# Allegro board dspeak-v1_00-0b.brd (continued)
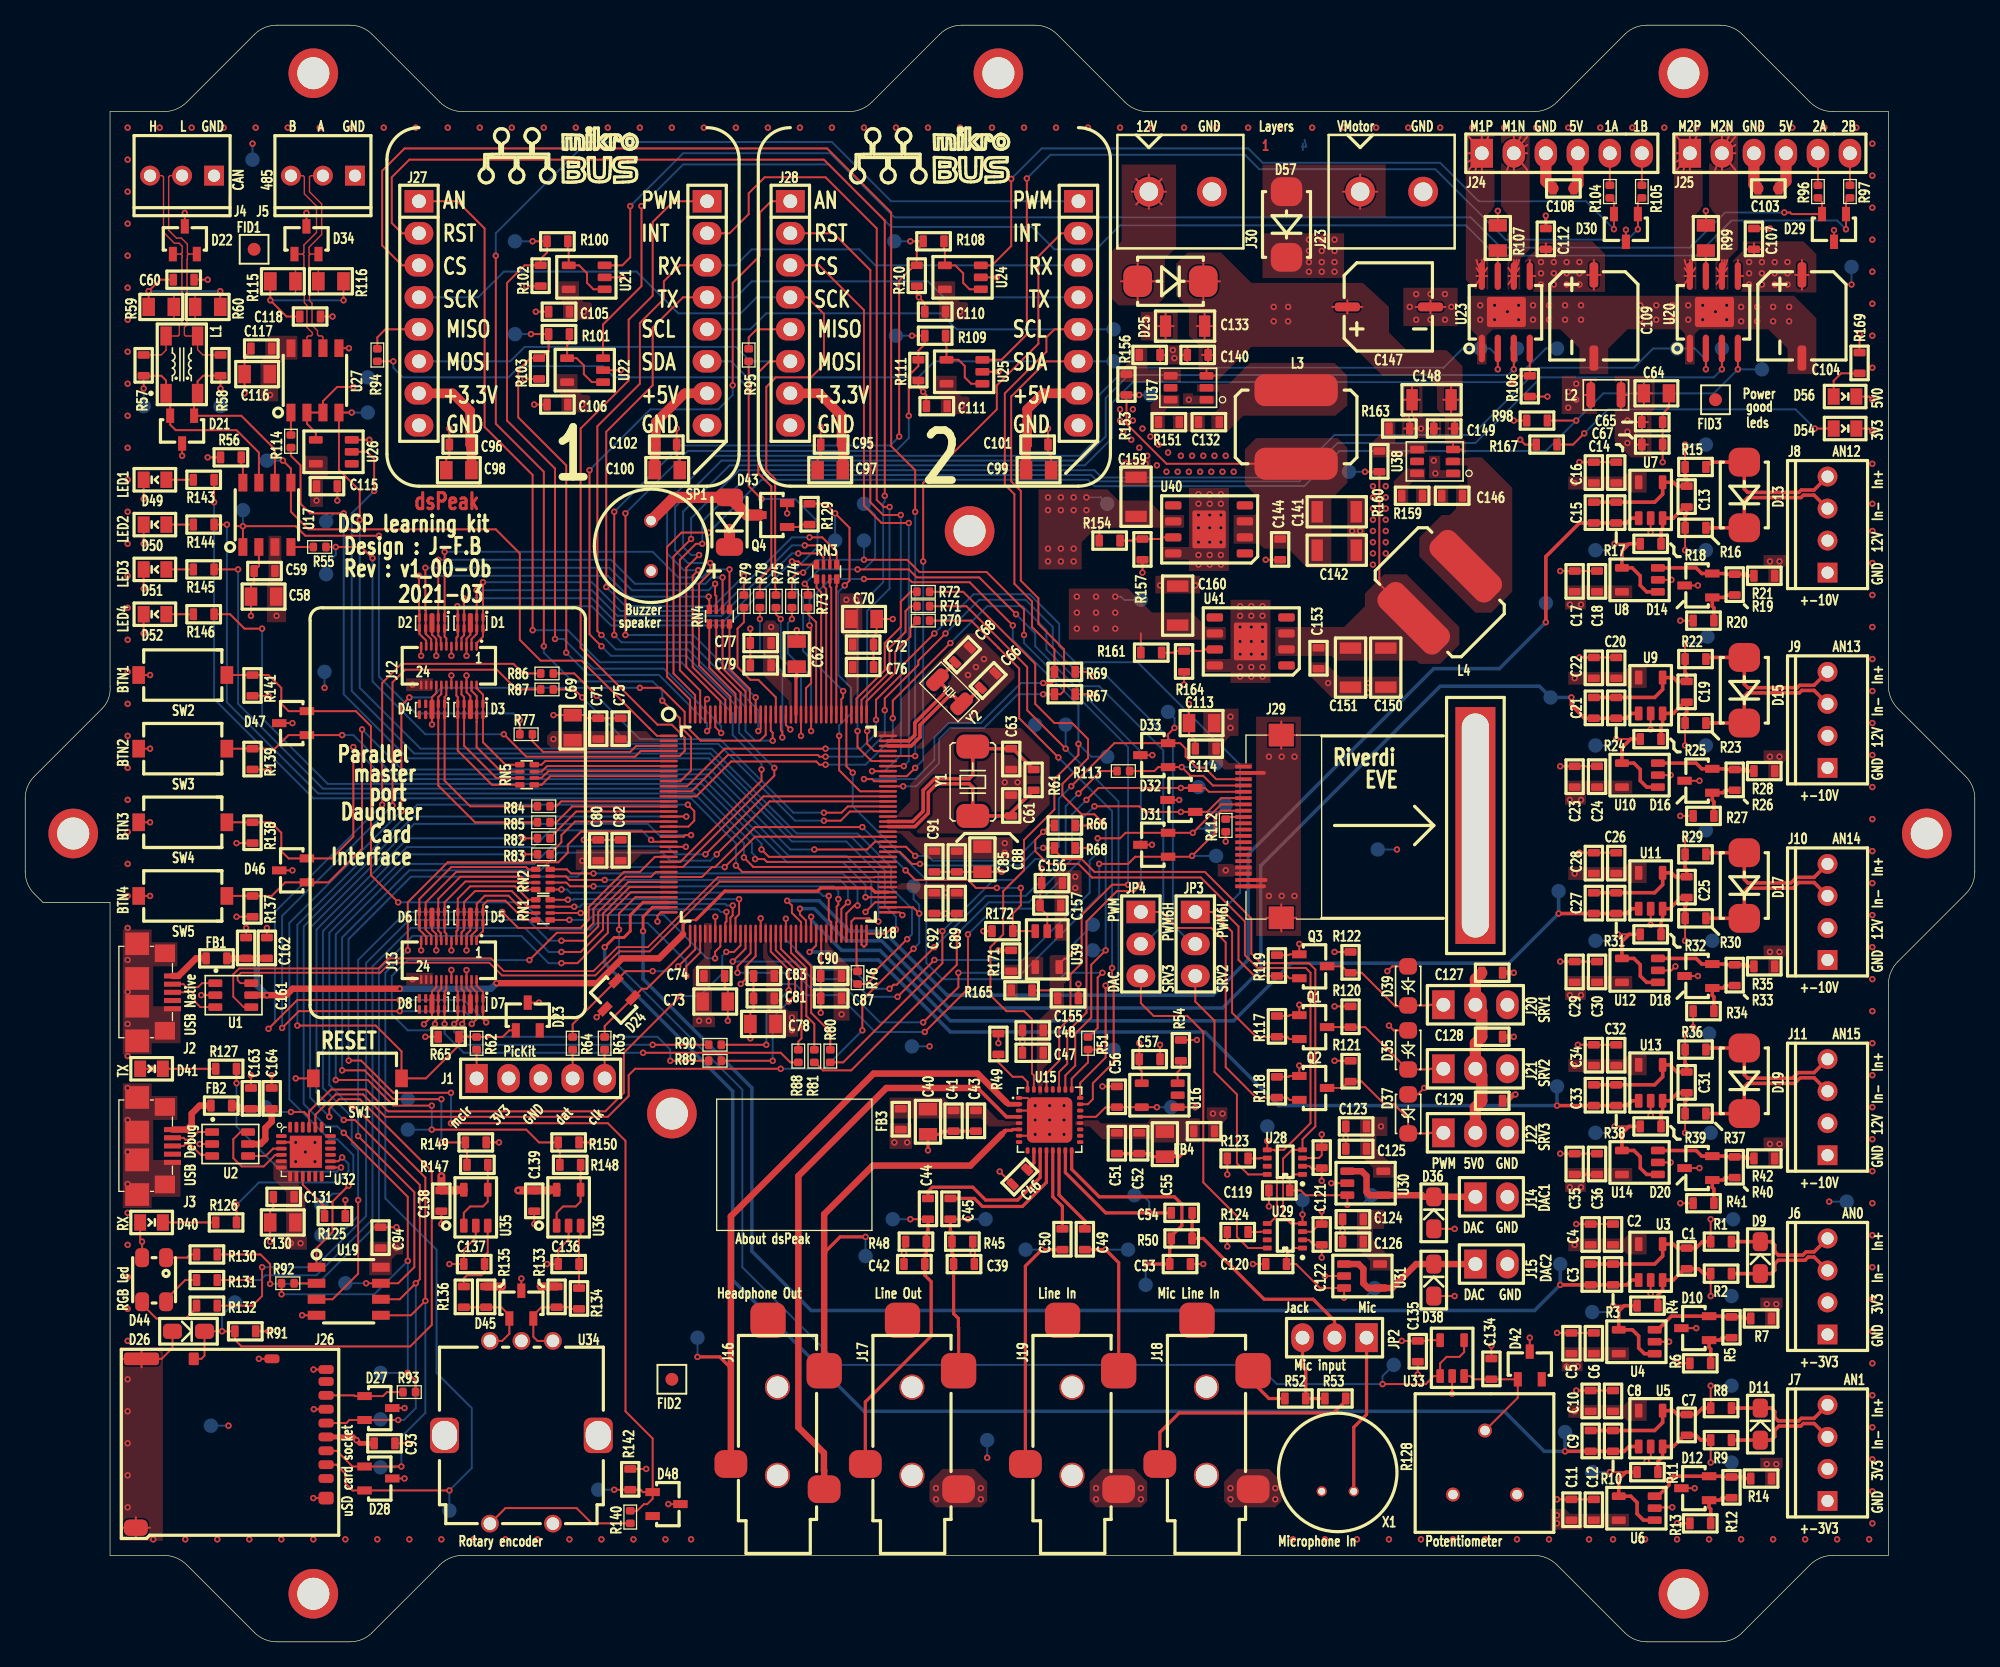
[diagram p0: board, top side]
## Routing (per net, layer and track width the routed paths; a pad name or vN(x,y) marks a point on that pad's centre or on a via; arc(x,y) is an arc through that point) (continued)
  TOP w0.889: D43.1 v1(55.88,88.27)
  INNER2 w0.152: 29.98,99.06 J27.7 ; J27.7 31.24,100.06 ; J27.7 31.24,98.06 ; J27.7 32.5,99.06 ; 38.35,44.7 38.35,45.96 ; 38.35,44.7 38.35,43.45 ; 38.35,44.7 39.36,44.7 ; 38.35,44.7 37.35,44.7 ; J28.7 61.96,99.06 ; J28.7 60.71,100.06 ; J28.7 60.71,98.06 ; J28.7 59.45,99.06 ; SP1.1 49.66,85.69 ; SP1.1 50.38,84.96 ; SP1.1 48.93,84.96 ; SP1.1 49.66,84.24
  BOTTOM w0.152: TP78.1 85.34,90.81 v1(84.2,90.81)
  vias: v1(19.43,98.93) v1(19.94,81.41) v1(21.08,31.62) v1(21.84,31.62) v1(23.11,90.55) v1(29.46,31.24) v1(30.73,75.95) v1(30.73,52.58) v1(41.91,71.63) v1(44.2,61.98) v1(59.18,80.52) v1(60.83,49.53) v1(60.83,48.51) v1(64.77,49.78) v1(65.15,82.68) v1(65.91,82.68) v1(73.02,59.44) v1(77.72,63.37) v1(77.72,62.61) v1(81.15,90.81) v1(81.15,89.79) v1(81.15,86.74) v1(81.15,85.73) v1(82.17,90.81) v1(82.17,89.79) v1(82.17,86.74) v1(82.17,85.73) v1(83.18,90.81) v1(83.18,89.79) v1(83.18,86.74) v1(83.18,85.73) v1(83.31,60.71) v1(83.31,59.82) v1(84.2,89.79) v1(94.23,41.91) v1(95,41.91) v1(95.25,61.21) v1(95.63,73.41) v1(95.63,72.52) v1(122.43,99.19) v1(122.43,97.92) v1(123.06,99.82) v1(123.06,98.55)
DVDD_3V5: length 19
  TOP w0.152: v1(88.39,98.93) R153.2 87.38,96.65 90.55,93.47 L3.2
  BOTTOM w0.152: TP77.1 v1(88.39,98.93)
DVDD_5V0: length 416.6
  TOP w0.152: R169.1 v1(145.54,103.76) ; R122.2 v1(103.89,54.74) ; R161.2 88.52,80.01 ; R120.2 v1(103.89,50.42) ; R121.2 v1(103.89,46.1)
  TOP w0.635: U35.5 34.29,35.87 34.24,35.81 C138.1 v1(33.02,36.96) ; R133.1 v1(40.89,28.19) ; v1(39.12,35.81) C139.1 41.6,35.81 41.66,35.87 U36.5 ; R135.1 v1(37.85,28.19)
  TOP w0.762: 54.1,99.06 52.32,99.06 50.04,96.77 C102.1 50.04,94.3 49.94,94.2 C100.1 ; C99.1 79.4,94.9 C101.1 79.5,97.79 80.77,99.06 J28.10
  TOP w0.889: C103.1 139.7,115.89 J25.4 ; J22.2 115.06,42.42 C129.1 115.57,44.96 J21.2 115.06,47.5 C128.1 115.57,50.04 J20.2 115.06,52.58 C127.1 ; J24.4 123.19,115.63 C108.1
  INNER2 w0.152: J20.2 115.06,51.8 ; J20.2 114.06,50.55 ; J20.2 116.07,50.55 ; J20.2 115.06,49.29 ; 114.06,40.39 J22.2 ; J22.2 115.06,39.13 ; J22.2 116.07,40.39 ; 145.54,108.71 v1(145.54,103.76) ; 115.06,44.21 J21.2 ; J21.2 116.07,45.47 ; J21.2 114.06,45.47
  INNER2 w0.381: 138.81,115.44 145.54,108.71
  INNER2 w0.635: v1(33.02,36.96) 35.18,36.96 36.32,35.81 v1(39.12,35.81) ; v1(103.89,46.1) 103.89,44.07 102.49,42.67 97.92,42.67 92.2,36.96 80.64,36.96 72.01,45.59 61.72,45.59 56.9,50.42 51.01,50.42 47.75,47.16 47.75,42.8 45.97,41.02 43.18,41.02 39.12,36.96 v1(39.12,35.81) ; v1(37.85,28.19) 37.85,34.54 v1(39.12,35.81) ; v1(39.12,35.81) 39.12,32.89 40.51,31.5 40.51,29.15 40.89,28.77 v1(40.89,28.19)
  INNER2 w0.889: v1(74.29,98.04) 69.98,93.73 59.69,93.73 54.36,99.06 45.09,99.06 v1(44.2,98.17) 44.2,99 44.32,99.12 v1(44.32,105.54) ; v1(74.29,98.04) 79.76,98.04 ; v1(74.29,98.04) 74.29,98.87 74.17,99 v1(74.17,105.54) ; 114.17,47.88 115.06,46.99 J21.2 ; 122.17,115.44 138.81,115.44 139.7,116.33 J25.4 ; 122.17,115.44 123.19,116.46 J24.4 ; 122.17,115.44 122.05,115.32 114.43,115.32 112.01,117.73 104.52,117.73 103.5,116.71 100.71,116.71 95.38,111.38 91.57,111.38 86.74,106.55 86.74,100.58 85.22,99.06 J28.10 80.77,99.06 79.76,98.04 ; 79.76,98.04 79.12,97.41 79.12,89.41 80.26,88.27 84.58,88.27 86.49,86.36 86.49,83.06 ; J22.2 115.06,41.7 113.96,42.8
  INNER2 w1.27: v1(103.89,50.42) v1(103.89,46.1) 107.19,42.8 113.96,42.8 ; v1(103.89,50.42) 106.43,47.88 114.17,47.88 ; v1(103.89,50.42) v1(103.89,54.74) 103.89,71.25 100.46,74.68 95.5,74.68 89.22,80.96 87.25,80.96
  BOTTOM w0.152: TP80.1 87.2,82.68 86.94,82.93 v1(86.49,82.93)
  vias: v1(83.44,82.93) v1(83.44,81.66) v1(83.44,80.39) v1(84.96,82.93) v1(84.96,81.66) v1(84.96,80.39) v1(86.49,81.66) v1(86.49,80.39)
DVDD_5V2: length 15.2
  TOP w0.152: L4.2 107.44,83.94 R160.2 v1(106.3,92.84)
  BOTTOM w0.152: TP79.1 v1(106.3,92.84)
485_A: length 18
  TOP w0.102: U27.6 23.62,103.52 23.52,103.62 23.29,103.62 23.19,103.72 23.19,104.03 22.76,104.46 22.76,106.21 22.56,106.42 22.56,106.84 22.66,106.95 23.16,106.95 23.26,107.05 R116.1 23.26,108.85 23.16,108.95 22.66,108.95 22.52,109.09 22.52,110.01 22.62,110.11 ; D34.2 22.62,110.11 ; 22.62,110.11 22.52,110.21 22.52,110.66 23.52,111.66 23.52,114.09 22.56,115.05 22.56,116.23 22.66,116.33 J5.2
485_B: length 17.9
  TOP w0.102: J5.3 22.05,116.33 22.15,116.23 22.15,114.88 23.11,113.92 23.11,111.83 22.11,110.82 22.11,110.21 22.01,110.11 ; U27.7 22.35,103.52 22.45,103.62 22.68,103.62 22.78,103.72 22.78,103.86 22.35,104.3 22.35,106.05 22.15,106.25 22.15,106.84 22.05,106.95 21.55,106.95 21.45,107.05 R115.2 21.45,108.85 21.55,108.95 22.01,108.95 22.11,109.06 22.11,110.01 22.01,110.11 ; 22.01,110.11 D34.1
AIN_AN0: length 107.4
  TOP w0.229: v1(49.02,56.39) 49.02,57.53 49.77,58.28 U18.35
  TOP w0.279: v1(121.79,28.32) C3.2 R3.2 127.07,28.32 127.45,28.7 U3.1
  BOTTOM w0.279: TP18.1 v1(121.79,28.32) 119.76,26.29 62.36,26.29 57.66,30.99 57.66,43.95 49.02,52.59 v1(49.02,56.39)
AIN_AN1: length 117.1
  TOP w0.229: U18.34 49.03,58.68 48.01,57.66 48.01,56.39 47.5,55.88 46.74,55.88 v1(45.97,55.12)
  TOP w0.279: U5.1 127.25,15.49 126.87,15.11 R10.2 C9.2 v1(122.17,15.11)
  BOTTOM w0.279: TP22.1 v1(122.17,15.11) 120.52,15.11 117.35,18.29 66.55,18.29 56.13,28.7 56.13,43.69 45.97,53.85 v1(45.97,55.12)
AIN_AN2_POT: length 102.2
  TOP w0.152: U18.33 48.41,59.08 47.12,57.78 v1(47.12,56.51) ; v1(107.7,20.45) 111.12,20.45 111.76,21.08 U33.1 112.27,22.1 112.78,22.61 113.79,22.61 114.17,22.99 114.17,23.17 114.17,23.18 U33.4
  BOTTOM w0.152: TP73.1 107.7,21.08 v1(107.7,20.45) 99.31,20.45 97.79,21.97 64.64,21.97 56.9,29.72 56.9,43.81 47.12,53.59 v1(47.12,56.51)
AIN_AN12: length 98.9
  TOP w0.152: v1(60.45,58.8) 60.83,58.42 60.83,57.83 61.55,57.11 U18.59
  TOP w0.279: U7.1 127.45,89.15 127.07,88.77 R17.2 C15.2 123.32,88.77 120.65,86.11 v1(120.65,80.9)
  BOTTOM w0.279: TP10.1 v1(120.65,80.9) 116.97,77.22 111.76,77.22 97.03,62.48 97.03,54.1 94.23,51.31 73.15,51.31 68.07,56.39 65.41,56.39 62.99,58.8 v1(60.45,58.8)
AIN_AN13: length 89
  TOP w0.152: U18.60 61.95,57.22 61.47,57.71 v1(61.47,58.17)
  TOP w0.279: v1(122.68,74.93) 122.68,74.32 123.72,73.28 C21.2 R24.2 127.07,73.28 127.45,73.66 U9.1
  BOTTOM w0.279: v1(61.47,58.17) 62.61,58.17 65.15,55.63 67.94,55.63 73.28,50.29 95,50.29 98.04,53.34 98.04,61.59 112.27,75.82 120.14,75.82 TP14.1 v1(122.68,74.93)
AIN_AN14: length 76
  TOP w0.152: U18.61 62.35,57.4 62.36,57.4 v1(62.36,57.53)
  TOP w0.279: v1(121.67,57.78) C27.2 R31.2 127.07,57.78 127.45,58.17 U11.1
  BOTTOM w0.279: TP2.1 v1(121.67,57.78) 117.73,53.85 100.46,53.85 95.88,49.28 73.41,49.28 67.82,54.86 64.77,54.86 62.36,57.28 v1(62.36,57.53)
AIN_AN15: length 74.2
  TOP w0.152: U18.62 62.75,55.25 v1(62.23,54.73)
  TOP w0.279: v1(121.54,42.54) C33.2 R38.2 127.07,42.54 127.45,42.93 U13.1
  BOTTOM w0.279: TP6.1 v1(121.54,42.54) 99.44,42.54 93.6,48.39 73.41,48.39 67.69,54.1 64.52,54.1 63.88,54.73 v1(62.23,54.73)
AN0-V-: length 8.9
  TOP w0.279: R2.1 D9.1 138.53,29.21 138.81,29.49 138.81,30 139.09,30.28 141.21,30.28 141.47,30.53 141.94,30.53 J6.3
AN0_V+: length 8.9
  TOP w0.279: J6.4 141.94,30.94 141.3,30.94 141.05,30.68 139.09,30.68 138.81,30.96 138.81,31.47 138.53,31.75 D9.2 R1.1
AN1_V+: length 8.8
  TOP w0.279: R8.1 D11.2 138.53,18.54 138.81,18.26 138.81,17.81 139.09,17.53 140.72,17.53 140.92,17.73 141.94,17.73 J7.4
AN1_V-: length 8.9
  TOP w0.279: J7.3 141.94,17.32 141.09,17.32 140.88,17.12 139.14,17.12 138.81,16.79 138.81,16.28 138.53,16 D11.1 R9.1
AN12_V+: length 12.6
  TOP w0.279: J8.4 141.94,91.39 140.92,91.39 140.73,91.2 136.68,91.2 136.4,91.48 D13.2 133.73,93.6 R15.1
AN12_V-: length 12.4
  TOP w0.279: R16.1 D13.1 136.4,90.51 136.68,90.79 140.9,90.79 141.09,90.98 141.94,90.98 J8.3
AN13_V+: length 12.5
  TOP w0.279: J9.4 141.94,75.9 140.79,75.9 140.6,75.7 136.68,75.7 136.4,75.98 D15.2 133.48,78.11 R22.1
AN13_V-: length 12.4
  TOP w0.279: J9.3 141.94,75.49 140.96,75.49 140.77,75.3 136.68,75.3 136.4,75.02 D15.1 R23.1
AN14_V+: length 12.6
  TOP w0.279: J10.4 141.94,60.66 140.54,60.66 140.09,60.21 136.68,60.21 136.4,60.49 D17.2 133.48,62.61 R29.1
AN14_V-: length 12.5
  TOP w0.279: R30.1 D17.1 136.4,59.52 136.68,59.8 140.26,59.8 140.71,60.25 141.94,60.25 J10.3
AN15_V+: length 12.6
  TOP w0.279: R36.1 133.48,47.12 D19.2 136.4,45 136.68,44.72 140.22,44.72 140.67,45.16 141.94,45.16 J11.4
AN15_V-: length 12.5
  TOP w0.279: J11.3 141.94,44.75 140.83,44.75 140.39,44.31 136.68,44.31 136.4,44.03 D19.1 R37.1
ASCL1: length 87.7
  TOP w0.152: J28.12 81.66,104.14 81.03,103.51 81.03,102.36 77.72,99.06 77.72,91.82 78.49,91.06 78.49,83.95 79.88,82.55 79.88,80.52 81.66,78.74 R69.2 81.66,76.28 81.45,76.07 v1(80.77,76.07) ; v1(66.55,68.45) 67.18,68.45 67.35,68.28 U18.99
  BOTTOM w0.152: TP45.1 J28.12 73.91,104.14 72.64,105.41 58.8,105.41 57.53,104.14 54.1,104.14 ; v1(80.77,76.07) 78.99,76.07 75.82,72.9 73.28,72.9 72.14,71.76 72.14,69.98 70.61,68.45 v1(66.55,68.45)
ASCL2: length 65.4
  TOP w0.152: v1(101.35,33.91) U29.4 100.41,33.19 99.8,33.8 99.8,38.33 100.5,39.03 U28.4 101.35,39.88 102.36,40.89 102.36,53.34 101.85,53.85 98.04,53.85 97.28,54.61 97.28,57.4 93.6,61.09 84.84,61.09 83.82,62.1 82.37,62.1 81.66,62.82 R68.2 v1(80.77,62.99) ; U18.85 69.4,62.68 70.36,61.72 v1(70.99,61.72)
  BOTTOM w0.152: v1(70.99,61.72) 71.45,61.72 71.58,61.59 78.92,61.59 80.31,62.99 v1(80.77,62.99) ; v1(101.35,33.91) TP43.1
ASDA1: length 83.1
  TOP w0.152: J28.11 81.03,101.6 78.23,98.81 78.23,92.08 78.99,91.31 78.99,84.2 80.39,82.8 80.39,80.77 82.42,78.74 82.42,75.46 82.14,75.18 R67.2 v1(80.77,75.18) ; U18.98 v1(69.66,67.88)
  BOTTOM w0.152: 54.1,101.6 56.01,101.6 57.28,100.33 70.87,100.33 72.14,101.6 J28.11 TP46.1 ; v1(80.77,75.18) 78.74,75.18 76.07,72.52 73.41,72.52 72.52,71.63 72.52,69.72 70.68,67.88 v1(69.66,67.88)
ASDA2: length 68.5
  TOP w0.152: v1(98.55,39.75) U28.5 99.1,39.03 ; U18.86 69.89,63.08 v1(70.61,62.36) ; 99.1,39.03 99.31,38.82 99.31,33.8 98.71,33.19 U29.5 ; 99.1,39.03 99.87,39.03 101.98,41.15 101.98,53.09 101.6,53.47 97.79,53.47 96.77,54.48 96.77,57.15 93.28,60.64 84.65,60.64 83.57,61.72 81.15,61.72 80.14,62.74 80.14,63.63 v1(80.77,64.26) 81.28,64.77 R66.2
  BOTTOM w0.152: v1(98.55,39.75) 98.55,40.24 98.55,40.25 TP44.1 ; v1(80.77,64.26) 78.49,61.98 72.01,61.98 71.63,62.36 v1(70.61,62.36)
BTN_1: length 58.9
  TOP w0.152: v1(52.45,52.83) 52.45,53.59 53.55,54.7 U18.39 ; SW2.1 R141.1 19.3,76.71 20.32,75.69 20.32,74.42 20.9,73.84 D47.2 26.23,73.84 27.43,72.64 27.43,60.83 v1(29.59,58.67)
  BOTTOM w0.152: v1(29.59,58.67) 39.5,58.67 41.66,56.51 44.83,56.51 45.34,57.02 49.4,57.02 52.45,53.97 v1(52.45,52.83)
BTN_2: length 61.1
  TOP w0.152: v1(25.15,71.94) D47.1 20.89,71.94 19.81,70.87 R139.1 SW3.1 ; U18.75 67.45,58.68 v1(66.67,57.91)
  BOTTOM w0.152: v1(25.15,71.94) 26.03,71.94 29.14,68.83 54.1,68.83 60.58,62.36 65.15,62.36 67.13,60.38 67.13,58.37 v1(66.67,57.91)
BTN_3: length 67.8
  TOP w0.152: U18.76 v1(66.67,59.08) ; SW4.1 R138.1 19.49,65.02 20.32,64.19 20.32,62.74 20.9,62.16 D46.2 24.31,62.16 26.03,63.88 v1(26.03,70.99)
  BOTTOM w0.152: v1(66.67,59.08) 66.67,60.05 64.87,61.85 60.45,61.85 53.85,68.45 28.58,68.45 v1(26.03,70.99)
BTN_4: length 67.7
  TOP w0.152: U18.87 67.42,63.48 66.8,62.86 v1(62.61,62.86) ; v1(26.73,72.39) 26.73,62.92 24.06,60.26 D46.1 20.63,60.26 19.56,59.18 R137.1 SW5.1
  BOTTOM w0.152: v1(62.61,62.86) 60.71,62.86 54.36,69.22 29.9,69.22 v1(26.73,72.39)
BUZZER: length 31.1
  TOP w0.152: v1(64.58,71.88) 64.58,69.15 66.25,67.48 U18.97 ; v1(65.02,83.82) 65.41,84.2 65.41,88.39 v1(64.26,89.54) 63.5,90.3 R129.2
  BOTTOM w0.152: TP76.1 v1(64.26,89.54) ; v1(64.58,71.88) 64.58,72.71 65.53,73.66 65.53,75.69 64.52,76.71 64.52,83.31 v1(65.02,83.82)
CAN_LBK: length 47
  TOP w0.152: U18.1 50.13,71.88 49.54,72.47 49.53,72.47 44.15,77.85 40.89,77.85 39.24,79.5 39.24,86.36 37.34,88.27 22.48,88.27 21.08,89.66 U17.5 21.08,93.09 v1(20.45,93.73)
  BOTTOM w0.152: v1(20.45,93.73) TP92.1
CAN_RX: length 42.5
  TOP w0.152: v1(27.56,85.98) 26.67,86.87 v1(24.64,86.87) R55.2 ; v1(37.97,72.01) 39.75,70.23 48.39,70.23 48.84,70.68 U18.4
  BOTTOM w0.152: v1(37.97,72.01) 31.75,72.01 27.56,76.2 v1(27.56,85.98) ; v1(24.64,86.87) 24.64,86.23 23.88,85.47 TP42.1
CAN_TX: length 39.5
  TOP w0.152: v1(17.27,88.52) 21.46,88.52 22.23,87.76 v1(28.07,87.76) ; v1(17.27,88.52) 16.76,88.52 ; v1(17.27,88.52) U17.1 ; R77.1 v1(39.24,73.15)
  BOTTOM w0.152: v1(39.24,73.15) 38.73,73.66 30.99,73.66 28.07,76.58 v1(28.07,87.76) ; v1(17.27,88.52) TP41.1
CANH: length 20.5
  TOP w0.102: J4.3 10.87,116.33 10.97,116.23 10.97,116.09 10.97,111.84 11.84,110.97 12.22,110.97 12.46,110.73 12.46,110.21 12.36,110.11 ; R57.1 10.79,102.11 11.18,102.49 L1.4 12.12,103.61 12.22,103.71 12.22,104.46 12.43,104.67 12.43,104.81 12.33,104.91 11.9,104.91 11.79,105.02 R59.2 11.79,106.82 11.9,106.92 12.33,106.92 12.43,107.02 12.43,109.84 12.46,109.86 12.46,110.01 12.36,110.11 ; 12.36,110.11 D22.1
CANL: length 20.5
  TOP w0.102: D22.2 12.97,110.11 ; 12.97,110.11 12.87,110.01 12.87,109.7 12.84,109.67 12.84,107.02 12.94,106.92 13.38,106.92 13.48,106.82 R60.1 13.48,105.02 13.38,104.91 12.94,104.91 12.84,104.81 12.84,104.5 12.63,104.29 12.63,103.71 12.73,103.61 L1.3 13.68,102.53 14.1,102.11 R58.1 ; 12.97,110.11 12.87,110.21 12.87,110.9 12.39,111.38 12,111.38 11.38,112 11.38,116.09 11.38,116.23 11.48,116.33 J4.2
CODEC_ENABLE: length 37.1
  TOP w0.152: U39.3 R172.1 78.36,57.78 78.99,58.42 v1(78.99,59.82) ; v1(66.42,64.64) 57.91,64.64 54.74,61.47 54.48,61.47 53.7,60.68 U18.29 ; v1(77.09,59.82) 75.44,59.82 74.8,60.45 70.61,60.45 v1(69.85,61.21)
  BOTTOM w0.152: v1(66.42,64.64) v1(69.85,61.21) ; v1(77.09,59.82) v1(78.99,59.82)
DRV1_OUTA: length 18.3
  TOP w0.152: J24.2 119.18,116.79 ; J24.2 119.18,119.43 ; J24.2 117.58,116.79 ; J24.2 118.11,116.79 ; J24.2 119.18,118.77 ; J24.2 118.64,119.43 ; J24.2 119.18,118.11 ; J24.2 118.11,119.43 ; U23.6 118.32,109.64 ; U23.6 118.11,109.64 ; U23.6 118.54,108.37 ; U23.6 117.68,109 ; U23.6 117.68,108.37 ; U23.6 117.68,107.73 ; U23.6 118.54,109.64 ; U23.6 118.54,109
DRV1_OUTB: length 18.2
  TOP w0.152: 114.5,118.11 J24.1 ; J24.1 114.54,119.43 ; J24.1 115.57,116.79 ; J24.1 114.52,117.45 ; J24.1 114.54,116.79 ; J24.1 116.08,119.43 ; J24.1 115.57,119.43 ; J24.1 115.06,116.79 ; 115.14,109.64 U23.8 ; U23.8 116,108.37 ; U23.8 115.78,109.64 ; U23.8 115.57,109.64 ; U23.8 115.14,107.73 ; U23.8 116,109 ; U23.8 115.14,109 ; U23.8 115.14,108.37
DRV2_OUTA: length 18.3
  TOP w0.152: 134.62,118.11 135.15,119.43 ; 134.62,118.11 134.62,116.79 ; 134.62,118.11 134.62,119.43 ; 134.62,118.11 135.69,119.43 ; 134.62,118.11 135.69,118.77 ; 134.62,118.11 134.09,116.79 ; 134.62,118.11 135.69,116.79 ; 134.62,118.11 135.69,118.11 ; 134.62,108.37 134.62,109.64 ; 134.62,108.37 134.83,109.64 ; 134.62,108.37 135.05,109.64 ; 134.62,108.37 135.05,109 ; 134.62,108.37 134.19,107.73 ; 134.62,108.37 134.19,108.37 ; 134.62,108.37 135.05,108.37 ; 134.62,108.37 134.19,109
DRV2_OUTB: length 18.2
  TOP w0.152: J25.1 132.59,119.43 ; J25.1 131.03,117.45 ; J25.1 132.08,116.79 ; J25.1 131.57,116.79 ; J25.1 131.05,116.79 ; J25.1 131.01,118.11 ; J25.1 132.08,119.43 ; J25.1 131.05,119.43 ; 131.65,109.64 U20.8 ; U20.8 131.65,109 ; U20.8 131.65,107.73 ; U20.8 132.08,109.64 ; U20.8 132.51,108.37 ; U20.8 131.65,108.37 ; U20.8 132.29,109.64 ; U20.8 132.51,109
ENC_A: length 6.3
  TOP w0.152: U35.3 36.7,30.9 36.45,30.65 C137.1 36.45,29.34 36.2,29.08 35.05,29.08 34.8,28.83 R136.1
ENC_B: length 5
  TOP w0.152: R134.2 C136.1 43.94,32.14 44.06,32.27 U36.3
FLASH_NCS: length 88.4
  TOP w0.152: v1(25.65,36.2) 24.38,34.92 24.38,32.51 23.11,31.24 U19.1 ; v1(30.48,74.93) 29.84,74.3 v1(29.84,65.91) ; v1(48.77,75.69) 50.42,75.69 52.32,73.79 52.32,72.77 53.59,71.5 58.29,71.5 58.75,71.96 U18.129
  BOTTOM w0.152: v1(48.77,75.69) 33.02,75.69 32.26,74.93 v1(30.48,74.93) ; TP51.1 24.38,35.56 25.02,35.56 v1(25.65,36.2) 26.03,36.58 26.03,38.61 24.77,39.88 24.13,39.88 20.95,43.05 20.95,57.02 v1(29.84,65.91)
FLASH_NHOLD: length 61.9
  TOP w0.152: v1(26.42,40.13) 30.88,35.67 30.88,29.73 29.59,28.45 U19.7 v1(27.05,28.45) ; U18.25 49.96,62.28 48.77,61.09 47.5,61.09 44.7,58.29 44.7,57.28 44.07,56.64 39.12,56.64 v1(37.85,57.91)
  BOTTOM w0.152: v1(37.85,57.91) 30.23,57.91 26.42,54.1 v1(26.42,40.13) ; v1(27.05,28.45) TP93.1
FLASH_NWP: length 68.4
  TOP w0.152: U18.22 49.8,63.48 v1(49.66,63.63) ; v1(26.42,35.05) 26.42,29.21 24.38,27.18 U19.3
  BOTTOM w0.152: v1(49.66,63.63) 48.9,64.39 41.66,64.39 40.32,63.06 30.29,63.06 23.62,56.39 23.62,43.94 25.91,41.66 25.91,39.5 26.42,38.99 v1(26.42,35.05) 26.42,33.78 24.89,32.26 TP52.1
FT8XX_NINT: length 54.4
  TOP w0.152: v1(69.22,51.18) v1(72.14,54.1) ; U18.48 57.15,54.99 v1(56.13,53.97) ; J29.7 94.89,66.44 v1(92.64,64.19) D31.2 87.3,64.19 86.87,63.75 v1(85.09,63.75)
  BOTTOM w0.152: v1(72.14,54.1) 79.12,54.1 84.45,59.44 84.45,61.98 85.09,62.61 v1(85.09,63.75) ; v1(69.22,51.18) 66.93,51.18 65.53,52.58 62.48,52.58 61.09,53.97 v1(56.13,53.97) ; v1(92.64,64.19) 92.96,64.52 TP96.1
FT8XX_NPD: length 57.1
  TOP w0.152: v1(85.22,61.72) 87.5,61.72 88.07,62.29 D31.1 92.52,62.29 v1(92.58,62.36) 94.36,64.14 94.36,65.41 94.9,65.94 J29.8 ; v1(56.52,53.09) 56.52,53.59 57.55,54.63 U18.49 ; v1(74.04,53.09) 74.04,51.94 v1(71.25,49.15)
  BOTTOM w0.152: v1(71.25,49.15) 67.82,49.15 65.02,51.94 62.23,51.94 61.09,53.09 v1(56.52,53.09) ; TP95.1 v1(92.58,62.36) ; v1(85.22,61.72) 85.22,59.18 79.12,53.09 v1(74.04,53.09)
I2S_COFS: length 51.4
  TOP w0.152: R70.1 75.06,81.03 76.93,79.15 76.94,79.15 77.21,78.89 77.21,78.88 78.87,77.22 78.87,73.28 v1(81.98,70.17) ; U15.23 84.31,42.65 84.71,43.05 84.71,44.32 86.36,45.97 86.36,52.7 86.23,52.83 v1(86.23,53.47)
  BOTTOM w0.152: 81.98,69.91 v1(81.98,70.17) ; v1(81.98,70.17) 86.23,65.91 v1(86.23,53.47) ; v1(81.98,70.17) 80.14,72.01 TP28.1
I2S_DIN: length 42.7
  TOP w0.152: v1(85.47,53.09) 85.09,52.7 85.09,48.7 84.38,47.99 R51.2 ; v1(65.66,68.96) 65.15,69.47 U18.113
  BOTTOM w0.152: v1(65.66,68.96) 65.66,66.29 71.5,60.45 71.5,53.85 72.77,52.58 82.04,52.58 82.55,53.09 v1(85.47,53.09)
I2S_DOUT: length 52.3
  TOP w0.152: U15.26 82.53,44.94 83.31,45.72 83.31,48.26 84.58,49.53 84.58,53.72 v1(85.72,54.86) ; R72.1 74.42,83.31 80.14,77.6 80.14,74.42 81.66,72.9 83.06,72.9 84.33,71.63 84.33,70.1 82.3,68.07 82.3,67.18 83.82,65.66 84.84,65.66 v1(85.47,65.02)
  BOTTOM w0.152: TP31.1 v1(85.72,54.86) 85.72,64.77 v1(85.47,65.02)
I2S_SCLK: length 50.1
  TOP w0.152: U15.24 83.7,44.33 85.72,46.35 v1(85.72,52.07) ; R71.1 74.68,82.17 79.5,77.34 79.5,73.91 v1(82.55,70.87)
  BOTTOM w0.152: TP29.1 v1(82.55,70.87) 86.74,66.67 86.74,53.09 v1(85.72,52.07)
LED_1: length 77.6
  TOP w0.152: U18.81 56.9,61.08 v1(56.39,61.59) ; R143.1 v1(14.99,90.42)
  BOTTOM w0.152: v1(56.39,61.59) 56.39,63.37 52.83,66.93 22.86,66.93 14.99,74.8 v1(14.99,90.42)
LED_2: length 73.6
  TOP w0.152: v1(57.02,62.23) 57.77,61.48 U18.82 ; R144.1 v1(16,88.65)
  BOTTOM w0.152: v1(16,88.65) 16,74.55 23.24,67.31 53.09,67.31 57.02,63.37 v1(57.02,62.23)
LED_3: length 69.9
  TOP w0.152: v1(57.91,62.1) 58.62,62.1 58.84,61.88 U18.83 ; R145.1 v1(16.89,85.09)
  BOTTOM w0.152: v1(57.91,62.1) 57.91,62.36 57.66,62.61 57.66,63.37 53.34,67.69 23.62,67.69 16.89,74.42 v1(16.89,85.09)
LED_4: length 65.9
  TOP w0.152: v1(18.8,80.39) 17.4,80.39 16.26,81.53 R146.1 ; v1(58.42,62.86) 59,62.28 U18.84
  BOTTOM w0.152: v1(18.8,80.39) 18.8,73.28 24,68.07 53.67,68.07 58.42,63.32 v1(58.42,62.86)
MKB1_AIN: length 74.5
  TOP w0.152: v1(40.26,80.26) 40.26,92.58 36.45,96.39 36.45,112.14 34.29,114.3 J27.1 ; v1(58.42,69.22) 58.42,68.32 51.98,61.88 U18.26
  BOTTOM w0.152: v1(40.26,80.26) 43.05,80.26 45.59,77.72 52.07,77.72 56.13,73.66 56.13,71.96 58.42,69.67 v1(58.42,69.22)
MKB1_INT: length 62.2
  TOP w0.152: 54.1,111.76 55.88,111.76 57.4,113.28 57.4,114.94 58.67,116.2 63.5,116.2 67.56,112.14 67.56,90.6 68.12,90.04 v1(68.58,90.04) ; U18.105 67.37,70.68 66.8,71.25 v1(66.8,72.26)
  BOTTOM w0.152: v1(68.58,90.04) 68.58,83.57 66.8,81.79 v1(66.8,72.26)
MKB1_NCS: length 98.8
  TOP w0.152: J27.3 29.9,109.22 28.32,110.79 28.32,116.71 30.1,118.49 63.63,118.49 68.71,113.41 68.71,94.87 70.61,92.96 v1(70.61,89.66) ; U18.104 v1(70.61,70.28)
  BOTTOM w0.152: v1(70.61,89.66) v1(70.61,70.28)
MKB1_PWM: length 54.9
  TOP w0.152: U18.5 51.92,70.28 52.32,70.69 52.32,71.76 51.31,72.77 50.16,72.77 44.07,78.87 44.07,96.27 47.88,100.08 47.88,104.9 49.78,106.81 49.78,112.65 51.44,114.3 54.1,114.3
MKB1_RST: length 93.4
  TOP w0.152: v1(66.04,72.26) 66.04,70.99 67.15,69.88 U18.103 ; v1(68.2,90.93) 68.2,112.78 63.37,117.6 30.48,117.6 29.08,116.2 29.08,112.57 29.9,111.76 J27.2
  BOTTOM w0.152: v1(68.2,90.93) 68.2,90.47 68.07,90.35 68.07,84.07 66.04,82.04 v1(66.04,72.26)
MKB2_AIN: length 77.2
  TOP w0.152: v1(44.77,92.96) 44.77,79.94 v1(45.72,78.99) ; v1(56.13,99.7) 56.13,107.82 58.29,109.98 58.29,113.41 59.18,114.3 J28.1 ; v1(59.44,69.34) 59.44,68.72 52.2,61.48 U18.27
  BOTTOM w0.152: v1(56.13,99.7) 56.13,98.93 54.99,97.79 49.6,97.79 v1(44.77,92.96) ; v1(45.72,78.99) 46.48,78.23 52.45,78.23 56.64,74.04 56.64,72.14 v1(59.44,69.34)
MKB2_INT: length 51.1
  TOP w0.152: J28.15 82.22,111.76 80.39,109.93 80.39,103 77.09,99.7 77.09,97.79 71.25,91.95 v1(71.25,85.73) 71.25,85.6 ; U18.100 69.95,68.68 v1(70.61,69.34)
  BOTTOM w0.152: v1(70.61,69.34) 71.25,69.98 v1(71.25,85.73)
MKB2_NCS: length 47.7
  TOP w0.152: U18.102 v1(69.71,69.48) ; v1(70.1,88.77) 67.94,88.77 66.55,90.17 66.55,105.66 62.99,109.22 J28.3
  BOTTOM w0.152: v1(70.1,88.77) 70.1,69.88 v1(69.71,69.48)
MKB2_PWM: length 106.1
  TOP w0.152: v1(50.55,74.68) 51.94,73.28 51.94,72.64 52.83,71.76 52.83,69.13 51.98,68.28 U18.10 ; v1(41.15,78.99) 41.15,92.84 37.34,96.65 v1(37.34,109.98)
  BOTTOM w0.152: v1(41.15,78.99) 41.15,78.49 43.43,76.2 49.78,76.2 50.55,75.44 v1(50.55,74.68) ; v1(37.34,109.98) 37.34,111.76 44.58,119 64.01,119 68.71,114.3 J28.16
MKB2_RST: length 51.9
  TOP w0.152: J28.2 64.14,111.76 67.06,108.84 67.06,90.42 68.07,89.41 v1(69.47,89.41) ; U18.101 v1(67.19,69.08)
  BOTTOM w0.152: v1(69.47,89.41) 69.47,70.36 68.19,69.08 v1(67.19,69.08)
N839560_P10: length 13.7
  TOP w0.152: R15.2 v1(131.7,95)
  TOP w0.279: R15.2 131.7,92.39 131.83,92.26 C13.1 131.08,91.69 130.77,92 U7.4 129.92,92 129.92,91.06 129.29,90.42 R17.1 C15.1
  BOTTOM w0.152: v1(131.7,95) TP9.1
N839560_P13: length 13.8
  TOP w0.152: R22.2 v1(131.7,79.25)
  TOP w0.279: C21.1 R24.1 129.29,74.93 129.92,75.56 129.92,76.51 U9.4 130.77,76.51 131.08,76.2 C19.1 131.83,76.77 131.7,76.89 R22.2
  BOTTOM w0.152: v1(131.7,79.25) 132.97,79.25 TP13.1
N839560_P14: length 13.7
  TOP w0.152: R29.2 v1(131.7,63.75)
  TOP w0.279: C27.1 R31.1 129.29,59.44 129.92,60.07 129.92,61.01 U11.4 130.63,61.02 130.94,60.71 C25.1 131.83,61.27 131.7,61.4 R29.2
  BOTTOM w0.152: TP1.1 132.72,63.75 v1(131.7,63.75)
N839560_P15: length 13.8
  TOP w0.152: R36.2 v1(131.7,48.26)
  TOP w0.279: R36.2 131.7,45.91 131.83,45.78 C31.1 131.06,45.21 130.5,45.78 U13.4 129.92,45.77 129.92,44.83 129.29,44.2 R38.1 C33.1
  BOTTOM w0.152: v1(131.7,48.26) TP5.1
N839602_P10: length 9.5
  TOP w0.152: R16.2 v1(131.7,86.61)
  TOP w0.279: R16.2 131.7,89.35 131.83,89.48 C13.2 131.65,90.04 130.76,89.15 U7.3 129.92,88.34 129.79,88.22 R18.1
  BOTTOM w0.152: v1(131.7,86.61) TP11.1
N839602_P13: length 9.5
  TOP w0.152: R23.2 v1(131.7,71.12)
  TOP w0.279: R23.2 131.7,73.64 131.83,73.77 C19.2 131.65,74.55 130.76,73.66 U9.3 129.92,72.84 129.79,72.72 R25.1
  BOTTOM w0.152: v1(131.7,71.12) TP15.1
N839602_P14: length 10
  TOP w0.152: R30.2 v1(131.7,55.63)
  TOP w0.279: R32.1 129.79,57.23 129.92,57.35 U11.3 130.48,58.17 131.37,59.05 C25.2 131.83,58.49 131.7,58.36 R30.2
  BOTTOM w0.152: v1(131.7,55.63) TP3.1
N839602_P15: length 9.5
  TOP w0.152: R37.2 v1(131.7,40.39)
  TOP w0.279: R39.1 129.79,41.99 129.92,42.11 U13.3 130.48,42.93 131.12,43.56 131.83,43.56 131.83,42.99 131.7,42.87 R37.2
  BOTTOM w0.152: v1(131.7,40.39) TP7.1
N839644_P10: length 10
  TOP w0.152: v1(126.11,87.12) 127.25,87.12
  TOP w0.279: U8.1 128.65,83.31 128.14,83.82 128.14,84.58 127.51,85.21 U8.4 126.69,86.56 127.25,87.12 R18.2
  BOTTOM w0.152: TP12.1 125.6,86.61 v1(126.11,87.12)
N839644_P13: length 10.1
  TOP w0.152: 127.32,71.56 127.25,71.63 v1(126.24,71.63)
  TOP w0.279: R25.2 127.38,71.63 126.69,70.94 U10.4 127.64,69.72 128.14,69.22 128.14,68.33 128.65,67.82 U10.1
  BOTTOM w0.152: v1(126.24,71.63) 125.73,71.12 TP16.1
N839644_P14: length 10.1
  TOP w0.152: 127.25,56.13 v1(126.36,56.13)
  TOP w0.279: U12.1 128.65,52.32 128.14,52.83 128.14,53.72 127.64,54.22 U12.4 126.69,55.57 127.25,56.13 R32.2
  BOTTOM w0.152: v1(126.36,56.13) 125.86,55.63 TP4.1
N839644_P15: length 10.1
  TOP w0.152: v1(126.11,40.89) 127.25,40.89
  TOP w0.279: R39.2 127.25,40.89 126.69,40.33 U14.4 127.64,38.98 128.14,38.48 128.14,37.59 128.65,37.08 U14.1
  BOTTOM w0.152: v1(126.11,40.89) 125.6,40.39 TP8.1
N839657_P4: length 2.1
  TOP w0.152: 133.35,110.49 R99.1 U20.7
N839657_P5: length 2.1
  TOP w0.152: U23.7 R107.1 116.84,110.49
N843649_P4: length 108.4
  TOP w0.152: v1(48.01,113.92) 48.01,109.85 47.37,109.21 U21.3 ; v1(139.57,113.41) 140.03,113.41 140.16,113.28 D29.2 142.57,114.24 R96.2
  BOTTOM w0.152: v1(139.57,113.41) 134.87,113.41 132.08,110.62 117.09,110.62 114.68,113.03 68.96,113.03 63.88,118.11 52.2,118.11 v1(48.01,113.92)
